# Altium PCB top_INA_v1.PcbDoc (part 4 of 4) (continued)
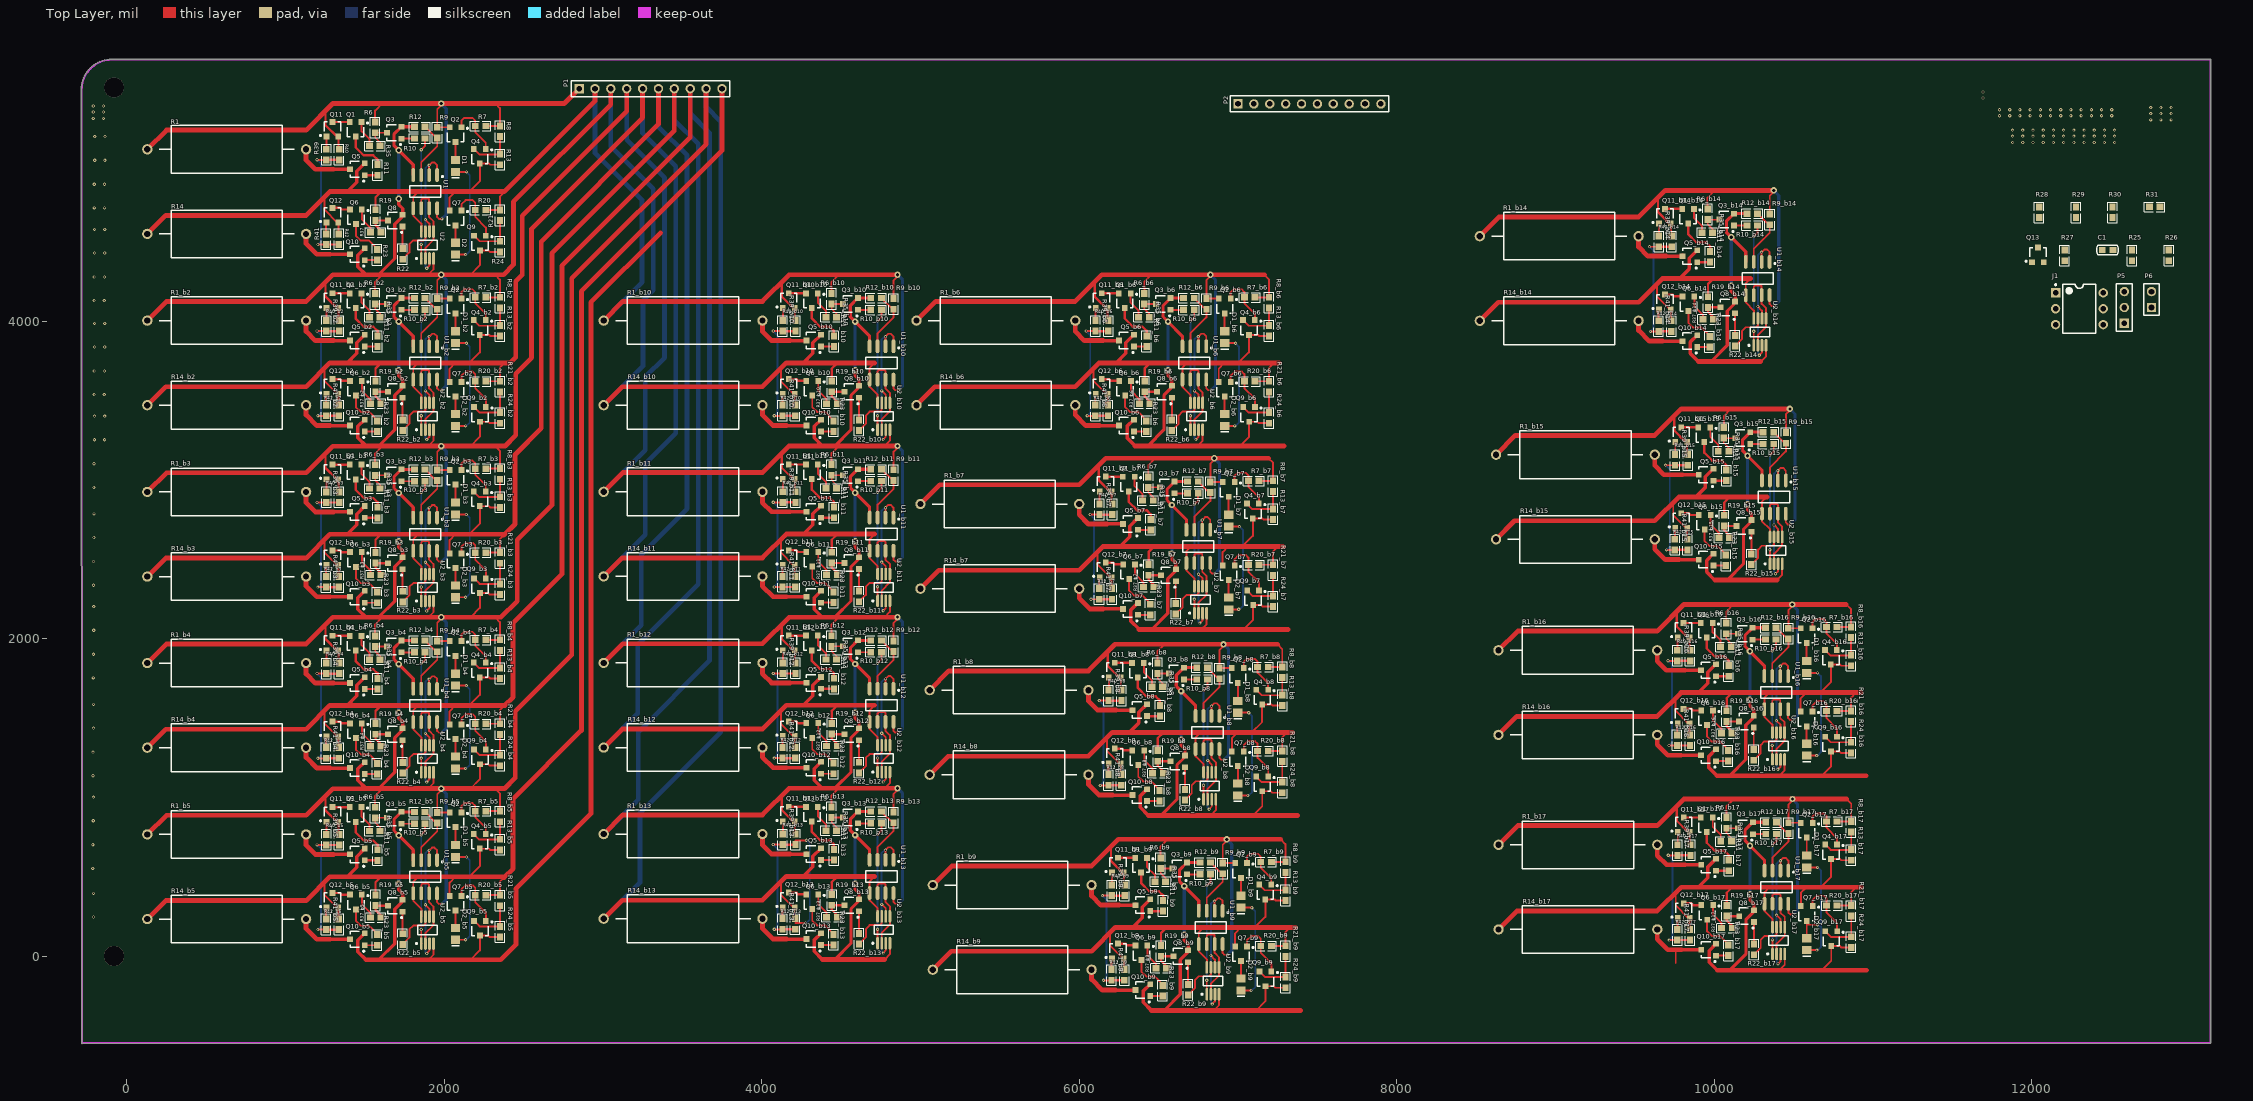
[diagram p0: Top Layer view]
## Nets (pads, with @x,y where several pads share a name; then routed paths per layer and width w, separated by ;. In a path a pad name is that pad's centre, name@x,y a point inside that pad or via, vN(x,y) a via of type N, cw(c..) or ccw(c..) an arc to the next point about the centre after c; other vN are vias at no path point) (continued)
NetQ8_b11_1: Q8_b11.1 R22_b11.2 | length 139.2
  Top Layer w12: R22_b11.2@4612.87,2300 4613.13,2300.26 Q8_b11.1@4613.13,2439.13
NetQ8_b11_3: Q8_b11.3 R19_b11.1 R37_b11.1 | length 168.3
  Top Layer w15: R37_b11.1@4476.33,2402 4476.33,2414.54 4441.87,2449 R19_b11.1@4441.87,2477.07 4442.4,2476.54 Q8_b11.3@4520.61,2476.53
NetQ8_b12_1: Q8_b12.1 R22_b12.2 | length 139.2
  Top Layer w12: R22_b12.2@4612.87,1222 4613.13,1222.26 Q8_b12.1@4613.13,1361.13
NetQ8_b12_3: Q8_b12.3 R19_b12.1 R37_b12.1 | length 168.3
  Top Layer w15: R37_b12.1@4476.33,1324 4476.33,1336.54 4441.87,1371 R19_b12.1@4441.87,1399.07 4442.4,1398.54 Q8_b12.3@4520.61,1398.53
NetQ8_b13_1: Q8_b13.1 R22_b13.2 | length 139.2
  Top Layer w12: R22_b13.2@4612.87,144 4613.13,144.26 Q8_b13.1@4613.13,283.13
NetQ8_b13_3: Q8_b13.3 R19_b13.1 R37_b13.1 | length 168.3
  Top Layer w15: R37_b13.1@4476.33,246 4476.33,258.54 4441.87,293 R19_b13.1@4441.87,321.07 4442.4,320.54 Q8_b13.3@4520.61,320.53
NetQ8_b14_1: Q8_b14.1 R22_b14.2 | length 139.2
  Top Layer w12: R22_b14.2@10130.87,3909.74 10131.13,3910 Q8_b14.1@10131.13,4048.87
NetQ8_b14_3: Q8_b14.3 R19_b14.1 R37_b14.1 | length 168.3
  Top Layer w15: R37_b14.1@9994.33,4011.74 9994.33,4024.28 9959.87,4058.74 R19_b14.1@9959.87,4086.81 9960.4,4086.28 Q8_b14.3@10038.61,4086.27
NetQ8_b15_1: Q8_b15.1 R22_b15.2 | length 139.2
  Top Layer w12: R22_b15.2@10232.87,2533.48 10233.13,2533.74 Q8_b15.1@10233.13,2672.61
NetQ8_b15_3: Q8_b15.3 R19_b15.1 R37_b15.1 | length 168.3
  Top Layer w15: R37_b15.1@10096.33,2635.48 10096.33,2648.02 10061.87,2682.48 R19_b15.1@10061.87,2710.55 10062.4,2710.02 Q8_b15.3@10140.61,2710.02
NetQ8_b16_1: Q8_b16.1 R22_b16.2 | length 139.2
  Top Layer w12: R22_b16.2@10247.87,1301.74 10248.13,1302 Q8_b16.1@10248.13,1440.87
NetQ8_b16_3: Q8_b16.3 R19_b16.1 R37_b16.1 | length 168.3
  Top Layer w15: R37_b16.1@10111.33,1403.74 10111.33,1416.28 10076.87,1450.74 R19_b16.1@10076.87,1478.81 10077.4,1478.28 Q8_b16.3@10155.61,1478.28
NetQ8_b17_1: Q8_b17.1 R22_b17.2 | length 139.2
  Top Layer w12: R22_b17.2@10248.87,76.48 10249.13,76.74 Q8_b17.1@10249.13,215.61
NetQ8_b17_3: Q8_b17.3 R19_b17.1 R37_b17.1 | length 168.3
  Top Layer w15: R37_b17.1@10112.33,178.48 10112.33,191.02 10077.87,225.48 R19_b17.1@10077.87,253.55 10078.4,253.02 Q8_b17.3@10156.61,253.02
NetQ9_2: Q9.2 R21.1 R24.2 | length 307.9
  Top Layer w12: Q9.2@2188.46,4537.8 2223.26,4503 R24.2@2351.87,4503 R21.1@2351.87,4633.07
NetQ9_b2_2: Q9_b2.2 R21_b2.1 R24_b2.2 | length 307.9
  Top Layer w12: Q9_b2.2@2188.46,3458.8 2223.26,3424 R24_b2.2@2351.87,3424 R21_b2.1@2351.87,3554.07
NetQ9_b3_2: Q9_b3.2 R21_b3.1 R24_b3.2 | length 307.9
  Top Layer w12: Q9_b3.2@2188.46,2379.8 2223.26,2345 R24_b3.2@2351.87,2345 R21_b3.1@2351.87,2475.07
NetQ9_b4_2: Q9_b4.2 R21_b4.1 R24_b4.2 | length 307.9
  Top Layer w12: Q9_b4.2@2188.46,1301.8 2223.26,1267 R24_b4.2@2351.87,1267 R21_b4.1@2351.87,1397.07
NetQ9_b5_2: Q9_b5.2 R21_b5.1 R24_b5.2 | length 307.9
  Top Layer w12: Q9_b5.2@2188.46,222.8 2223.26,188 R24_b5.2@2351.87,188 R21_b5.1@2351.87,318.07
NetQ9_b6_2: Q9_b6.2 R21_b6.1 R24_b6.2 | length 307.9
  Top Layer w12: Q9_b6.2@7032.46,3458.8 7067.26,3424 R24_b6.2@7195.87,3424 R21_b6.1@7195.87,3554.07
NetQ9_b7_2: Q9_b7.2 R21_b7.1 R24_b7.2 | length 307.9
  Top Layer w12: Q9_b7.2@7057.46,2303.54 7092.26,2268.74 R24_b7.2@7220.87,2268.74 R21_b7.1@7220.87,2398.81
NetQ9_b8_2: Q9_b8.2 R21_b8.1 R24_b8.2 | length 307.9
  Top Layer w12: Q9_b8.2@7115.46,1131.54 7150.26,1096.74 R24_b8.2@7278.87,1096.74 R21_b8.1@7278.87,1226.81
NetQ9_b9_2: Q9_b9.2 R21_b9.1 R24_b9.2 | length 307.9
  Top Layer w12: Q9_b9.2@7135.46,-96.46 7170.26,-131.26 R24_b9.2@7298.87,-131.26 R21_b9.1@7298.87,-1.19
NetQ9_b10_2: 
NetQ9_b11_2: 
NetQ9_b12_2: 
NetQ9_b13_2: 
NetQ9_b14_2: 
NetQ9_b15_2: 
NetQ9_b16_2: Q9_b16.2 R21_b16.1 R24_b16.2 | length 307.9
  Top Layer w12: Q9_b16.2@10697.46,1382.54 10732.26,1347.74 R24_b16.2@10860.87,1347.74 R21_b16.1@10860.87,1477.81
NetQ9_b17_2: Q9_b17.2 R21_b17.1 R24_b17.2 | length 307.9
  Top Layer w12: Q9_b17.2@10698.46,157.28 10733.26,122.48 R24_b17.2@10861.87,122.48 R21_b17.1@10861.87,252.55
NetQ10_1: Q10.1 R23.1 | length 78.1
  Top Layer w12: Q10.1@1500.13,4384.13 R23.1@1578.19,4384.13
NetQ10_3: Q10.3 R14.1 | length 365.2
  Top Layer w22: 1282.87,4421.54 Q10.3@1407.61,4421.53
  Top Layer w30: R14.1@1131,4549.26 1131,4488.26 1197.72,4421.54 1282.87,4421.54
NetQ10_b2_1: Q10_b2.1 R23_b2.1 | length 78.1
  Top Layer w12: Q10_b2.1@1500.13,3305.13 R23_b2.1@1578.19,3305.13
NetQ10_b2_3: Q10_b2.3 R14_b2.1 | length 365.2
  Top Layer w22: 1282.87,3342.54 Q10_b2.3@1407.61,3342.53
  Top Layer w30: R14_b2.1@1131,3470.26 1131,3409.26 1197.72,3342.54 1282.87,3342.54
NetQ10_b3_1: Q10_b3.1 R23_b3.1 | length 78.1
  Top Layer w12: Q10_b3.1@1500.13,2226.13 R23_b3.1@1578.19,2226.13
NetQ10_b3_3: Q10_b3.3 R14_b3.1 | length 365.2
  Top Layer w22: 1282.87,2263.54 Q10_b3.3@1407.61,2263.53
  Top Layer w30: R14_b3.1@1131,2391.26 1131,2330.26 1197.72,2263.54 1282.87,2263.54
NetQ10_b4_1: Q10_b4.1 R23_b4.1 | length 78.1
  Top Layer w12: Q10_b4.1@1500.13,1148.13 R23_b4.1@1578.19,1148.13
NetQ10_b4_3: Q10_b4.3 R14_b4.1 | length 365.2
  Top Layer w22: 1282.87,1185.54 Q10_b4.3@1407.61,1185.53
  Top Layer w30: R14_b4.1@1131,1313.26 1131,1252.26 1197.72,1185.54 1282.87,1185.54
NetQ10_b5_1: Q10_b5.1 R23_b5.1 | length 78.1
  Top Layer w12: Q10_b5.1@1500.13,69.13 R23_b5.1@1578.19,69.13
NetQ10_b5_3: Q10_b5.3 R14_b5.1 | length 365.2
  Top Layer w22: 1282.87,106.54 Q10_b5.3@1407.61,106.53
  Top Layer w30: R14_b5.1@1131,234.26 1131,173.26 1197.72,106.54 1282.87,106.54
NetQ10_b6_1: Q10_b6.1 R23_b6.1 | length 78.1
  Top Layer w12: Q10_b6.1@6344.13,3305.13 R23_b6.1@6422.19,3305.13
NetQ10_b6_3: Q10_b6.3 R14_b6.1 | length 365.2
  Top Layer w22: 6126.87,3342.54 Q10_b6.3@6251.61,3342.53
  Top Layer w30: R14_b6.1@5975,3470.26 5975,3409.26 6041.72,3342.54 6126.87,3342.54
NetQ10_b7_1: Q10_b7.1 R23_b7.1 | length 78.1
  Top Layer w12: Q10_b7.1@6369.13,2149.87 R23_b7.1@6447.19,2149.87
NetQ10_b7_3: Q10_b7.3 R14_b7.1 | length 365.2
  Top Layer w22: 6151.87,2187.28 Q10_b7.3@6276.61,2187.28
  Top Layer w30: R14_b7.1@6000,2315 6000,2254 6066.72,2187.28 6151.87,2187.28
NetQ10_b8_1: Q10_b8.1 R23_b8.1 | length 78.1
  Top Layer w12: Q10_b8.1@6427.13,977.87 R23_b8.1@6505.19,977.87
NetQ10_b8_3: Q10_b8.3 R14_b8.1 | length 365.2
  Top Layer w22: 6209.87,1015.28 Q10_b8.3@6334.61,1015.27
  Top Layer w30: R14_b8.1@6058,1143 6058,1082 6124.72,1015.28 6209.87,1015.28
NetQ10_b9_1: Q10_b9.1 R23_b9.1 | length 78.1
  Top Layer w12: Q10_b9.1@6447.13,-250.13 R23_b9.1@6525.19,-250.13
NetQ10_b9_3: Q10_b9.3 R14_b9.1 | length 365.2
  Top Layer w22: 6229.87,-212.72 Q10_b9.3@6354.61,-212.72
  Top Layer w30: R14_b9.1@6078,-85 6078,-146 6144.72,-212.72 6229.87,-212.72
NetQ10_b10_1: Q10_b10.1 R23_b10.1 | length 78.1
  Top Layer w12: Q10_b10.1@4374.13,3305.13 R23_b10.1@4452.19,3305.13
NetQ10_b10_3: Q10_b10.3 R14_b10.1 | length 365.2
  Top Layer w22: 4156.87,3342.54 Q10_b10.3@4281.61,3342.53
  Top Layer w30: R14_b10.1@4005,3470.26 4005,3409.26 4071.72,3342.54 4156.87,3342.54
NetQ10_b11_1: Q10_b11.1 R23_b11.1 | length 78.1
  Top Layer w12: Q10_b11.1@4374.13,2227.13 R23_b11.1@4452.19,2227.13
NetQ10_b11_3: Q10_b11.3 R14_b11.1 | length 365.2
  Top Layer w22: 4156.87,2264.54 Q10_b11.3@4281.61,2264.53
  Top Layer w30: R14_b11.1@4005,2392.26 4005,2331.26 4071.72,2264.54 4156.87,2264.54
NetQ10_b12_1: Q10_b12.1 R23_b12.1 | length 78.1
  Top Layer w12: Q10_b12.1@4374.13,1149.13 R23_b12.1@4452.19,1149.13
NetQ10_b12_3: Q10_b12.3 R14_b12.1 | length 365.2
  Top Layer w22: 4156.87,1186.54 Q10_b12.3@4281.61,1186.53
  Top Layer w30: R14_b12.1@4005,1314.26 4005,1253.26 4071.72,1186.54 4156.87,1186.54
NetQ10_b13_1: Q10_b13.1 R23_b13.1 | length 78.1
  Top Layer w12: Q10_b13.1@4374.13,71.13 R23_b13.1@4452.19,71.13
NetQ10_b13_3: Q10_b13.3 R14_b13.1 | length 365.2
  Top Layer w22: 4156.87,108.54 Q10_b13.3@4281.61,108.53
  Top Layer w30: R14_b13.1@4005,236.26 4005,175.26 4071.72,108.54 4156.87,108.54
NetQ10_b14_1: Q10_b14.1 R23_b14.1 | length 78.1
  Top Layer w12: Q10_b14.1@9892.13,3836.87 R23_b14.1@9970.19,3836.87
NetQ10_b14_3: Q10_b14.3 R14_b14.1 | length 365.2
  Top Layer w22: 9674.87,3874.28 Q10_b14.3@9799.61,3874.27
  Top Layer w30: R14_b14.1@9523,4002 9523,3941 9589.72,3874.28 9674.87,3874.28
NetQ10_b15_1: Q10_b15.1 R23_b15.1 | length 78.1
  Top Layer w12: Q10_b15.1@9994.13,2460.61 R23_b15.1@10072.19,2460.61
NetQ10_b15_3: Q10_b15.3 R14_b15.1 | length 365.2
  Top Layer w22: 9776.87,2498.02 Q10_b15.3@9901.61,2498.02
  Top Layer w30: R14_b15.1@9625,2625.74 9625,2564.74 9691.72,2498.02 9776.87,2498.02
NetQ10_b16_1: Q10_b16.1 R23_b16.1 | length 78.1
  Top Layer w12: Q10_b16.1@10009.13,1228.87 R23_b16.1@10087.19,1228.87
NetQ10_b16_3: Q10_b16.3 R14_b16.1 | length 365.2
  Top Layer w22: 9791.87,1266.28 Q10_b16.3@9916.61,1266.28
  Top Layer w30: R14_b16.1@9640,1394 9640,1333 9706.72,1266.28 9791.87,1266.28
NetQ10_b17_1: Q10_b17.1 R23_b17.1 | length 78.1
  Top Layer w12: Q10_b17.1@10010.13,3.61 R23_b17.1@10088.19,3.61
NetQ10_b17_3: Q10_b17.3 R14_b17.1 | length 365.2
  Top Layer w22: 9792.87,41.02 Q10_b17.3@9917.61,41.02
  Top Layer w30: R14_b17.1@9641,168.74 9641,107.74 9707.72,41.02 9792.87,41.02
NetQ11_1: Q11.1 R39.2 | length 79.9
  Top Layer w12: R39.2@1258,5082.72 1259.6,5084.32 Q11.1@1259.6,5162
NetQ11_b2_1: Q11_b2.1 R39_b2.2 | length 79.9
  Top Layer w12: R39_b2.2@1258,4003.72 1259.6,4005.32 Q11_b2.1@1259.6,4083
NetQ11_b3_1: Q11_b3.1 R39_b3.2 | length 79.9
  Top Layer w12: R39_b3.2@1258,2924.72 1259.6,2926.32 Q11_b3.1@1259.6,3004
NetQ11_b4_1: Q11_b4.1 R39_b4.2 | length 79.9
  Top Layer w12: R39_b4.2@1258,1846.72 1259.6,1848.32 Q11_b4.1@1259.6,1926
NetQ11_b5_1: Q11_b5.1 R39_b5.2 | length 79.9
  Top Layer w12: R39_b5.2@1258,767.72 1259.6,769.32 Q11_b5.1@1259.6,847
NetQ11_b6_1: Q11_b6.1 R39_b6.2 | length 79.9
  Top Layer w12: R39_b6.2@6102,4003.72 6103.6,4005.32 Q11_b6.1@6103.6,4083
NetQ11_b7_1: Q11_b7.1 R39_b7.2 | length 79.9
  Top Layer w12: R39_b7.2@6127,2848.46 6128.6,2850.06 Q11_b7.1@6128.6,2927.74
NetQ11_b8_1: Q11_b8.1 R39_b8.2 | length 79.9
  Top Layer w12: R39_b8.2@6185,1676.46 6186.6,1678.06 Q11_b8.1@6186.6,1755.74
NetQ11_b9_1: Q11_b9.1 R39_b9.2 | length 79.9
  Top Layer w12: R39_b9.2@6205,448.46 6206.6,450.06 Q11_b9.1@6206.6,527.74
NetQ11_b10_1: Q11_b10.1 R39_b10.2 | length 79.9
  Top Layer w12: R39_b10.2@4132,4003.72 4133.6,4005.32 Q11_b10.1@4133.6,4083
NetQ11_b11_1: Q11_b11.1 R39_b11.2 | length 79.9
  Top Layer w12: R39_b11.2@4132,2925.72 4133.6,2927.32 Q11_b11.1@4133.6,3005
NetQ11_b12_1: Q11_b12.1 R39_b12.2 | length 79.9
  Top Layer w12: R39_b12.2@4132,1847.72 4133.6,1849.32 Q11_b12.1@4133.6,1927
NetQ11_b13_1: Q11_b13.1 R39_b13.2 | length 79.9
  Top Layer w12: R39_b13.2@4132,769.72 4133.6,771.32 Q11_b13.1@4133.6,849
NetQ11_b14_1: Q11_b14.1 R39_b14.2 | length 79.9
  Top Layer w12: R39_b14.2@9650,4535.46 9651.6,4537.06 Q11_b14.1@9651.6,4614.74
NetQ11_b15_1: Q11_b15.1 R39_b15.2 | length 79.9
  Top Layer w12: R39_b15.2@9752,3159.2 9753.6,3160.8 Q11_b15.1@9753.6,3238.48
NetQ11_b16_1: Q11_b16.1 R39_b16.2 | length 79.9
  Top Layer w12: R39_b16.2@9767,1927.46 9768.6,1929.06 Q11_b16.1@9768.6,2006.74
NetQ11_b17_1: Q11_b17.1 R39_b17.2 | length 79.9
  Top Layer w12: R39_b17.2@9768,702.2 9769.6,703.8 Q11_b17.1@9769.6,781.48
NetQ12_1: Q12.1 R41.1 | length 72.4
  Top Layer w12: R41.1@1257,4549.72 1257,4618.4 Q12.1@1259.6,4621
NetQ12_b2_1: Q12_b2.1 R41_b2.1 | length 72.4
  Top Layer w12: R41_b2.1@1257,3470.72 1257,3539.4 Q12_b2.1@1259.6,3542
NetQ12_b3_1: Q12_b3.1 R41_b3.1 | length 72.4
  Top Layer w12: R41_b3.1@1257,2391.72 1257,2460.4 Q12_b3.1@1259.6,2463
NetQ12_b4_1: Q12_b4.1 R41_b4.1 | length 72.4
  Top Layer w12: R41_b4.1@1257,1313.72 1257,1382.4 Q12_b4.1@1259.6,1385
NetQ12_b5_1: Q12_b5.1 R41_b5.1 | length 72.4
  Top Layer w12: R41_b5.1@1257,234.72 1257,303.4 Q12_b5.1@1259.6,306
NetQ12_b6_1: Q12_b6.1 R41_b6.1 | length 72.4
  Top Layer w12: R41_b6.1@6101,3470.72 6101,3539.4 Q12_b6.1@6103.6,3542
NetQ12_b7_1: Q12_b7.1 R41_b7.1 | length 72.4
  Top Layer w12: R41_b7.1@6126,2315.46 6126,2384.14 Q12_b7.1@6128.6,2386.74
NetQ12_b8_1: Q12_b8.1 R41_b8.1 | length 72.4
  Top Layer w12: R41_b8.1@6184,1143.46 6184,1212.14 Q12_b8.1@6186.6,1214.74
NetQ12_b9_1: Q12_b9.1 R41_b9.1 | length 72.4
  Top Layer w12: R41_b9.1@6204,-84.54 6204,-15.86 Q12_b9.1@6206.6,-13.26
NetQ12_b10_1: Q12_b10.1 R41_b10.1 | length 72.4
  Top Layer w12: R41_b10.1@4131,3470.72 4131,3539.4 Q12_b10.1@4133.6,3542
NetQ12_b11_1: Q12_b11.1 R41_b11.1 | length 72.4
  Top Layer w12: R41_b11.1@4131,2392.72 4131,2461.4 Q12_b11.1@4133.6,2464
NetQ12_b12_1: Q12_b12.1 R41_b12.1 | length 72.4
  Top Layer w12: R41_b12.1@4131,1314.72 4131,1383.4 Q12_b12.1@4133.6,1386
NetQ12_b13_1: Q12_b13.1 R41_b13.1 | length 72.4
  Top Layer w12: R41_b13.1@4131,236.72 4131,305.4 Q12_b13.1@4133.6,308
NetQ12_b14_1: Q12_b14.1 R41_b14.1 | length 72.4
  Top Layer w12: R41_b14.1@9649,4002.46 9649,4071.14 Q12_b14.1@9651.6,4073.74
NetQ12_b15_1: Q12_b15.1 R41_b15.1 | length 72.4
  Top Layer w12: R41_b15.1@9751,2626.2 9751,2694.88 Q12_b15.1@9753.6,2697.48
NetQ12_b16_1: Q12_b16.1 R41_b16.1 | length 72.4
  Top Layer w12: R41_b16.1@9766,1394.46 9766,1463.14 Q12_b16.1@9768.6,1465.74
NetQ12_b17_1: Q12_b17.1 R41_b17.1 | length 72.4
  Top Layer w12: R41_b17.1@9767,169.2 9767,237.88 Q12_b17.1@9769.6,240.48
NetQ13_1: Q13.1 R28.2 R29.2 R30.2 R31.2
OUT2: D1.2 D1_b2.2 D1_b3.2 R29.1 | length 2027.7
  Top Layer w12: 2071.87,2261.13 v1(2135.46,2261.13) ; D1_b3.2@2071.87,2782.13 v1(2140.46,2782.13) ; 2071.87,3340.13 v1(2135.46,3340.13) ; D1_b2.2@2071.87,3861.13 v1(2140.46,3861.13) ; 2071.87,4419.13 v1(2135.46,4419.13) ; D1.2@2071.87,4940.13 v1(2140.46,4940.13)
  Bottom Layer w12: v1(2135.46,2261.13) 2140.75,2261.13 2161.61,2282 2161.61,2760.98 v1(2140.46,2782.13) ; v1(2135.46,3340.13) 2140.75,3340.13 2161.61,3361 2161.61,3839.98 v1(2140.46,3861.13) ; v1(2135.46,4419.13) 2140.75,4419.13 2161.61,4440 2161.61,4918.98 v1(2140.46,4940.13)
OUT5: D1_b4.2 D1_b5.2 D1_b6.2 R30.1 | length 2027.7
  Top Layer w12: 2071.87,104.13 v1(2135.46,104.13) ; D1_b5.2@2071.87,625.13 v1(2140.46,625.13) ; 2071.87,1183.13 v1(2135.46,1183.13) ; D1_b4.2@2071.87,1704.13 v1(2140.46,1704.13) ; 6915.87,3340.13 v1(6979.46,3340.13) ; D1_b6.2@6915.87,3861.13 v1(6984.46,3861.13)
  Bottom Layer w12: v1(2135.46,104.13) 2140.75,104.13 2161.61,125 2161.61,603.98 v1(2140.46,625.13) ; v1(2135.46,1183.13) 2140.75,1183.13 2161.61,1204 2161.61,1682.98 v1(2140.46,1704.13) ; v1(6979.46,3340.13) 6984.75,3340.13 7005.61,3361 7005.61,3839.98 v1(6984.46,3861.13)
OUT8: D1_b7.2 D1_b8.2 D1_b9.2 R31.1 | length 2027.7
  Top Layer w12: 6940.87,2184.87 v1(7004.46,2184.87) ; D1_b7.2@6940.87,2705.87 v1(7009.46,2705.87) ; 6998.87,1012.87 v1(7062.46,1012.87) ; D1_b8.2@6998.87,1533.87 v1(7067.46,1533.87) ; 7018.87,-215.13 v1(7082.46,-215.13) ; D1_b9.2@7018.87,305.87 v1(7087.46,305.87)
  Bottom Layer w12: v1(7004.46,2184.87) 7009.75,2184.87 7030.61,2205.74 7030.61,2684.72 v1(7009.46,2705.87) ; v1(7062.46,1012.87) 7067.75,1012.87 7088.61,1033.74 7088.61,1512.72 v1(7067.46,1533.87) ; v1(7082.46,-215.13) 7087.75,-215.13 7108.61,-194.26 7108.61,284.72 v1(7087.46,305.87)
OUT9: 
OUT10: 
OUT11: 
OUT12: 
OUT13: 
OUT14:  | length 1351.8
  Top Layer w12: 4212.87,209.13 v1(4276.46,209.13) 4212.87,209.13 ; 4212.87,730.13 v1(4281.46,730.13) 4212.87,730.13
  Bottom Layer w12: v1@4281.75,209.13 v1(4276.46,209.13) v1@4281.75,209.13 ; v1@4281.75,209.13 4302.61,230 ; v1@4281.75,209.13 4302.61,230 ; 4302.61,230 4302.61,708.98 ; 4302.61,230 4302.61,708.98 ; 4302.61,708.98 v1(4281.46,730.13) 4302.61,708.98
  other v1: 4276.46,209.13 4281.46,730.13
OUT15: D1_b16.2 | length 675.9
  Top Layer w12: 10580.87,1263.87 v1(10644.46,1263.87) ; D1_b16.2@10580.87,1784.87 v1(10649.46,1784.87)
  Bottom Layer w12: v1(10644.46,1263.87) 10649.75,1263.87 10670.61,1284.74 10670.61,1763.72 v1(10649.46,1784.87)
OUT16: D1_b17.2 | length 675.9
  Top Layer w12: 10581.87,38.61 v1(10645.46,38.61) ; D1_b17.2@10581.87,559.61 v1(10650.46,559.61)
  Bottom Layer w12: v1(10645.46,38.61) 10650.75,38.61 10671.61,59.48 10671.61,538.46 v1(10650.46,559.61)
OUT_G16: R39.1 R39_b2.1 R39_b3.1 R39_b4.1 R39_b5.1 R39_b6.1 R39_b7.1 R39_b8.1 R39_b9.1 R39_b10.1 R39_b11.1 R39_b12.1 R39_b13.1 R39_b14.1 R39_b15.1 R39_b16.1 R39_b17.1 R40.2 R40_b2.2 R40_b3.2 R40_b4.2 R40_b5.2 R40_b6.2 R40_b7.2 R40_b8.2 R40_b9.2 R40_b10.2 R40_b11.2 R40_b12.2 R40_b13.2 R40_b14.2 R40_b15.2 R40_b16.2 R40_b17.2 R41.2 R41_b2.2 R41_b3.2 R41_b4.2 R41_b5.2 R41_b6.2 R41_b7.2 R41_b8.2 R41_b9.2 R41_b10.2 R41_b11.2 R41_b12.2 R41_b13.2 R41_b14.2 R41_b15.2 R41_b16.2 R41_b17.2 R42.2 R42_b2.2 R42_b3.2 R42_b4.2 R42_b5.2 R42_b6.2 R42_b7.2 R42_b8.2 R42_b9.2 R42_b10.2 R42_b11.2 R42_b12.2 R42_b13.2 R42_b14.2 R42_b15.2 R42_b16.2 R42_b17.2 | length 14024.4
  Top Layer w12: v1@1199.99,700.8 R39_b5.1@1258,700.8 ; v1@1199.99,1779.8 R39_b4.1@1258,1779.8 ; v1@1199.99,2857.8 R39_b3.1@1258,2857.8 ; v1@1199.99,3936.8 R39_b2.1@1258,3936.8 ; v1@1199.99,5015.8 R39.1@1258,5015.8 ; v1(1205.25,167.54) R41_b5.2@1256.74,167.54 ; v1(1205.25,1246.54) R41_b4.2@1256.74,1246.54 ; v1(1205.25,2324.54) R41_b3.2@1256.74,2324.54 ; v1(1205.25,3403.54) R41_b2.2@1256.74,3403.54 ; v1(1205.25,4482.54) R41.2@1256.74,4482.54 ; v1@4073.99,702.8 R39_b13.1@4132,702.8 ; v1@4073.99,1780.8 R39_b12.1@4132,1780.8 ; v1@4073.99,2858.8 R39_b11.1@4132,2858.8 ; v1@4073.99,3936.8 R39_b10.1@4132,3936.8 ; v1(4079.25,169.54) R41_b13.2@4130.74,169.54 ; v1(4079.25,1247.54) R41_b12.2@4130.74,1247.54 ; v1(4079.25,2325.54) R41_b11.2@4130.74,2325.54 ; v1(4079.25,3403.54) R41_b10.2@4130.74,3403.54 ; v1@6043.99,3936.8 R39_b6.1@6102,3936.8 ; v1(6049.25,3403.54) R41_b6.2@6100.74,3403.54 ; v1@6068.99,2781.54 R39_b7.1@6127,2781.54 ; v1(6074.25,2248.28) R41_b7.2@6125.74,2248.28 ; v1@6126.99,1609.54 R39_b8.1@6185,1609.54 ; v1(6132.25,1076.28) R41_b8.2@6183.74,1076.28 ; v1@6146.99,381.54 R39_b9.1@6205,381.54 ; v1(6152.25,-151.72) R41_b9.2@6203.74,-151.72 ; v1@9591.99,4468.54 R39_b14.1@9650,4468.54 ; v1(9597.25,3935.28) R41_b14.2@9648.74,3935.28 ; v1@9693.99,3092.28 R39_b15.1@9752,3092.28 ; v1(9699.25,2559.02) R41_b15.2@9750.74,2559.02 ; v1@9708.99,1860.54 R39_b16.1@9767,1860.54 ; v1@9709.99,635.28 R39_b17.1@9768,635.28 ; v1(9714.25,1327.28) R41_b16.2@9765.74,1327.28 ; v1(9715.25,102.02) R41_b17.2@9766.74,102.02
  Top Layer w15: v1(1199.25,701.54) v1@1199.99,700.8 ; v1(1199.25,1780.54) v1@1199.99,1779.8 ; v1(1199.25,2858.54) v1@1199.99,2857.8 ; v1(1199.25,3937.54) v1@1199.99,3936.8 ; v1(1199.25,5016.54) v1@1199.99,5015.8 ; R41_b5.2@1256.74,167.54 R41_b5.2@1257,167.8 R42_b5.2@1337,167.8 ; R41_b4.2@1256.74,1246.54 R41_b4.2@1257,1246.8 R42_b4.2@1337,1246.8 ; R41_b3.2@1256.74,2324.54 R41_b3.2@1257,2324.8 R42_b3.2@1337,2324.8 ; R41_b2.2@1256.74,3403.54 R41_b2.2@1257,3403.8 R42_b2.2@1337,3403.8 ; R41.2@1256.74,4482.54 R41.2@1257,4482.8 R42.2@1337,4482.8 ; R39_b5.1@1258,700.8 R40_b5.2@1339,700.8 ; R39_b4.1@1258,1779.8 R40_b4.2@1339,1779.8 ; R39_b3.1@1258,2857.8 R40_b3.2@1339,2857.8 ; R39_b2.1@1258,3936.8 R40_b2.2@1339,3936.8 ; R39.1@1258,5015.8 R40.2@1339,5015.8 ; v1(4073.25,703.54) v1@4073.99,702.8 ; v1(4073.25,1781.54) v1@4073.99,1780.8 ; v1(4073.25,2859.54) v1@4073.99,2858.8 ; v1(4073.25,3937.54) v1@4073.99,3936.8 ; R41_b13.2@4130.74,169.54 R41_b13.2@4131,169.8 R42_b13.2@4211,169.8 ; R41_b12.2@4130.74,1247.54 R41_b12.2@4131,1247.8 R42_b12.2@4211,1247.8 ; R41_b11.2@4130.74,2325.54 R41_b11.2@4131,2325.8 R42_b11.2@4211,2325.8 ; R41_b10.2@4130.74,3403.54 R41_b10.2@4131,3403.8 R42_b10.2@4211,3403.8 ; R39_b13.1@4132,702.8 R40_b13.2@4213,702.8 ; R39_b12.1@4132,1780.8 R40_b12.2@4213,1780.8 ; R39_b11.1@4132,2858.8 R40_b11.2@4213,2858.8 ; R39_b10.1@4132,3936.8 R40_b10.2@4213,3936.8 ; v1(6043.25,3937.54) v1@6043.99,3936.8 ; v1(6068.25,2782.28) v1@6068.99,2781.54 ; R41_b6.2@6100.74,3403.54 R41_b6.2@6101,3403.8 R42_b6.2@6181,3403.8 ; R39_b6.1@6102,3936.8 R40_b6.2@6183,3936.8 ; R41_b7.2@6125.74,2248.28 R41_b7.2@6126,2248.54 R42_b7.2@6206,2248.54 ; v1(6126.25,1610.28) v1@6126.99,1609.54 ; R39_b7.1@6127,2781.54 R40_b7.2@6208,2781.54 ; v1(6146.25,382.28) v1@6146.99,381.54 ; R41_b8.2@6183.74,1076.28 R41_b8.2@6184,1076.54 R42_b8.2@6264,1076.54 ; R39_b8.1@6185,1609.54 R40_b8.2@6266,1609.54 ; R41_b9.2@6203.74,-151.72 R41_b9.2@6204,-151.46 R42_b9.2@6284,-151.46 ; R39_b9.1@6205,381.54 R40_b9.2@6286,381.54 ; v1(9591.25,4469.28) v1@9591.99,4468.54 ; R41_b14.2@9648.74,3935.28 R41_b14.2@9649,3935.54 R42_b14.2@9729,3935.54 ; R39_b14.1@9650,4468.54 R40_b14.2@9731,4468.54 ; v1(9693.25,3093.02) v1@9693.99,3092.28 ; v1(9708.25,1861.28) v1@9708.99,1860.54 ; v1(9709.25,636.02) v1@9709.99,635.28 ; R41_b15.2@9750.74,2559.02 R41_b15.2@9751,2559.28 R42_b15.2@9831,2559.28 ; R39_b15.1@9752,3092.28 R40_b15.2@9833,3092.28 ; R41_b16.2@9765.74,1327.28 R41_b16.2@9766,1327.54 R42_b16.2@9846,1327.54 ; R41_b17.2@9766.74,102.02 R41_b17.2@9767,102.28 R42_b17.2@9847,102.28 ; R39_b16.1@9767,1860.54 R40_b16.2@9848,1860.54 ; R39_b17.1@9768,635.28 R40_b17.2@9849,635.28
  Bottom Layer w12: v1(1199.25,701.54) 1225.25,675.54 1225.25,187.54 v1(1205.25,167.54) ; v1(1199.25,1780.54) 1225.25,1754.54 1225.25,1266.54 v1(1205.25,1246.54) ; v1(1199.25,2858.54) 1225.25,2832.54 1225.25,2344.54 v1(1205.25,2324.54) ; v1(1199.25,3937.54) 1225.25,3911.54 1225.25,3423.54 v1(1205.25,3403.54) ; v1(1199.25,5016.54) 1225.25,4990.54 1225.25,4502.54 v1(1205.25,4482.54) ; v1(4073.25,703.54) 4099.25,677.54 4099.25,189.54 v1(4079.25,169.54) ; v1(4073.25,1781.54) 4099.25,1755.54 4099.25,1267.54 v1(4079.25,1247.54) ; v1(4073.25,2859.54) 4099.25,2833.54 4099.25,2345.54 v1(4079.25,2325.54) ; v1(4073.25,3937.54) 4099.25,3911.54 4099.25,3423.54 v1(4079.25,3403.54) ; v1(6043.25,3937.54) 6069.25,3911.54 6069.25,3423.54 v1(6049.25,3403.54) ; v1(6068.25,2782.28) 6094.25,2756.28 6094.25,2268.28 v1(6074.25,2248.28) ; v1(6126.25,1610.28) 6152.25,1584.28 6152.25,1096.28 v1(6132.25,1076.28) ; v1(6146.25,382.28) 6172.25,356.28 6172.25,-131.72 v1(6152.25,-151.72) ; v1(9591.25,4469.28) 9617.25,4443.28 9617.25,3955.28 v1(9597.25,3935.28) ; v1(9693.25,3093.02) 9719.25,3067.02 9719.25,2579.02 v1(9699.25,2559.02) ; v1(9708.25,1861.28) 9734.25,1835.28 9734.25,1347.28 v1(9714.25,1327.28) ; v1(9709.25,636.02) 9735.25,610.02 9735.25,122.02 v1(9715.25,102.02)
pads on no net: D2.2 D2_b2.2 D2_b3.2 D2_b4.2 D2_b5.2 D2_b6.2 D2_b7.2 D2_b8.2 D2_b9.2 D2_b16.2 D2_b17.2 J1.3
copper on no net: | length 2297.5
  Top Layer w12: 1855.87,3632.05 1855.87,3684.54 1863.87,3692.54 1900.87,3692.54 1905.87,3687.54 1905.87,3632.05 1905.87,3576.54 1933.25,3549.15 1933.25,3485.18 1933.25,3431.92 1882.07,3380.74 1882.07,3315.89 ; v1(1881.87,3560.54) 1907.66,3534.74 1907.66,3485.18 ; v1(1890.87,3253.54) 1907.66,3270.33 1907.66,3315.89 1908.39,3316.62 ; 1905.87,3841.02 v1(1905.87,3902.54) 1923.87,3920.54 1938.87,3920.54 1955.87,3903.54 1955.87,3841.02 ; 10580.87,1263.87 v1(10644.46,1263.87) ; 10580.87,1784.87 v1(10649.46,1784.87) ; 10581.87,198.35 v1(10650.46,198.35)
  Bottom Layer w12: v1(1890.87,3253.54) 1881.87,3262.54 v1(1881.87,3560.54) 1881.87,3884.54 1899.87,3902.54 v1(1905.87,3902.54) ; v1(10644.46,1263.87) 10649.75,1263.87 10670.61,1284.74 10670.61,1763.72 v1(10649.46,1784.87) ; v1(10650.46,198.35) 10671.61,177.2
  other v3: -78.74,0 -78.74,5472.44

## Keep-outs
Keep-Out Layer:
  lines w10: -93.94,5644.99 ccw(c-93,5456.99) -281,5458 -277.83,-544.98 13122,-542.66 13122,5645 11561.03,5645 -93,5645

## Dimensions
-854,5644 to -879,-200 on Keep-Out Layer
-284.45,-846 to 10140,-915 on Keep-Out Layer